# Altium PCB Industrial-IO.PcbDoc (part 2 of 2)
Units mil, origin at the board's own origin, x right, y up, seen from the top; angles counter-clockwise.
Board outline 4527.56 x 2677.17 mil, 2 copper layers (Top Layer, Bottom Layer); 229 components, 299 nets, 967 pads, 166 vias.
Unrouted connection lines stored in the file: 79.
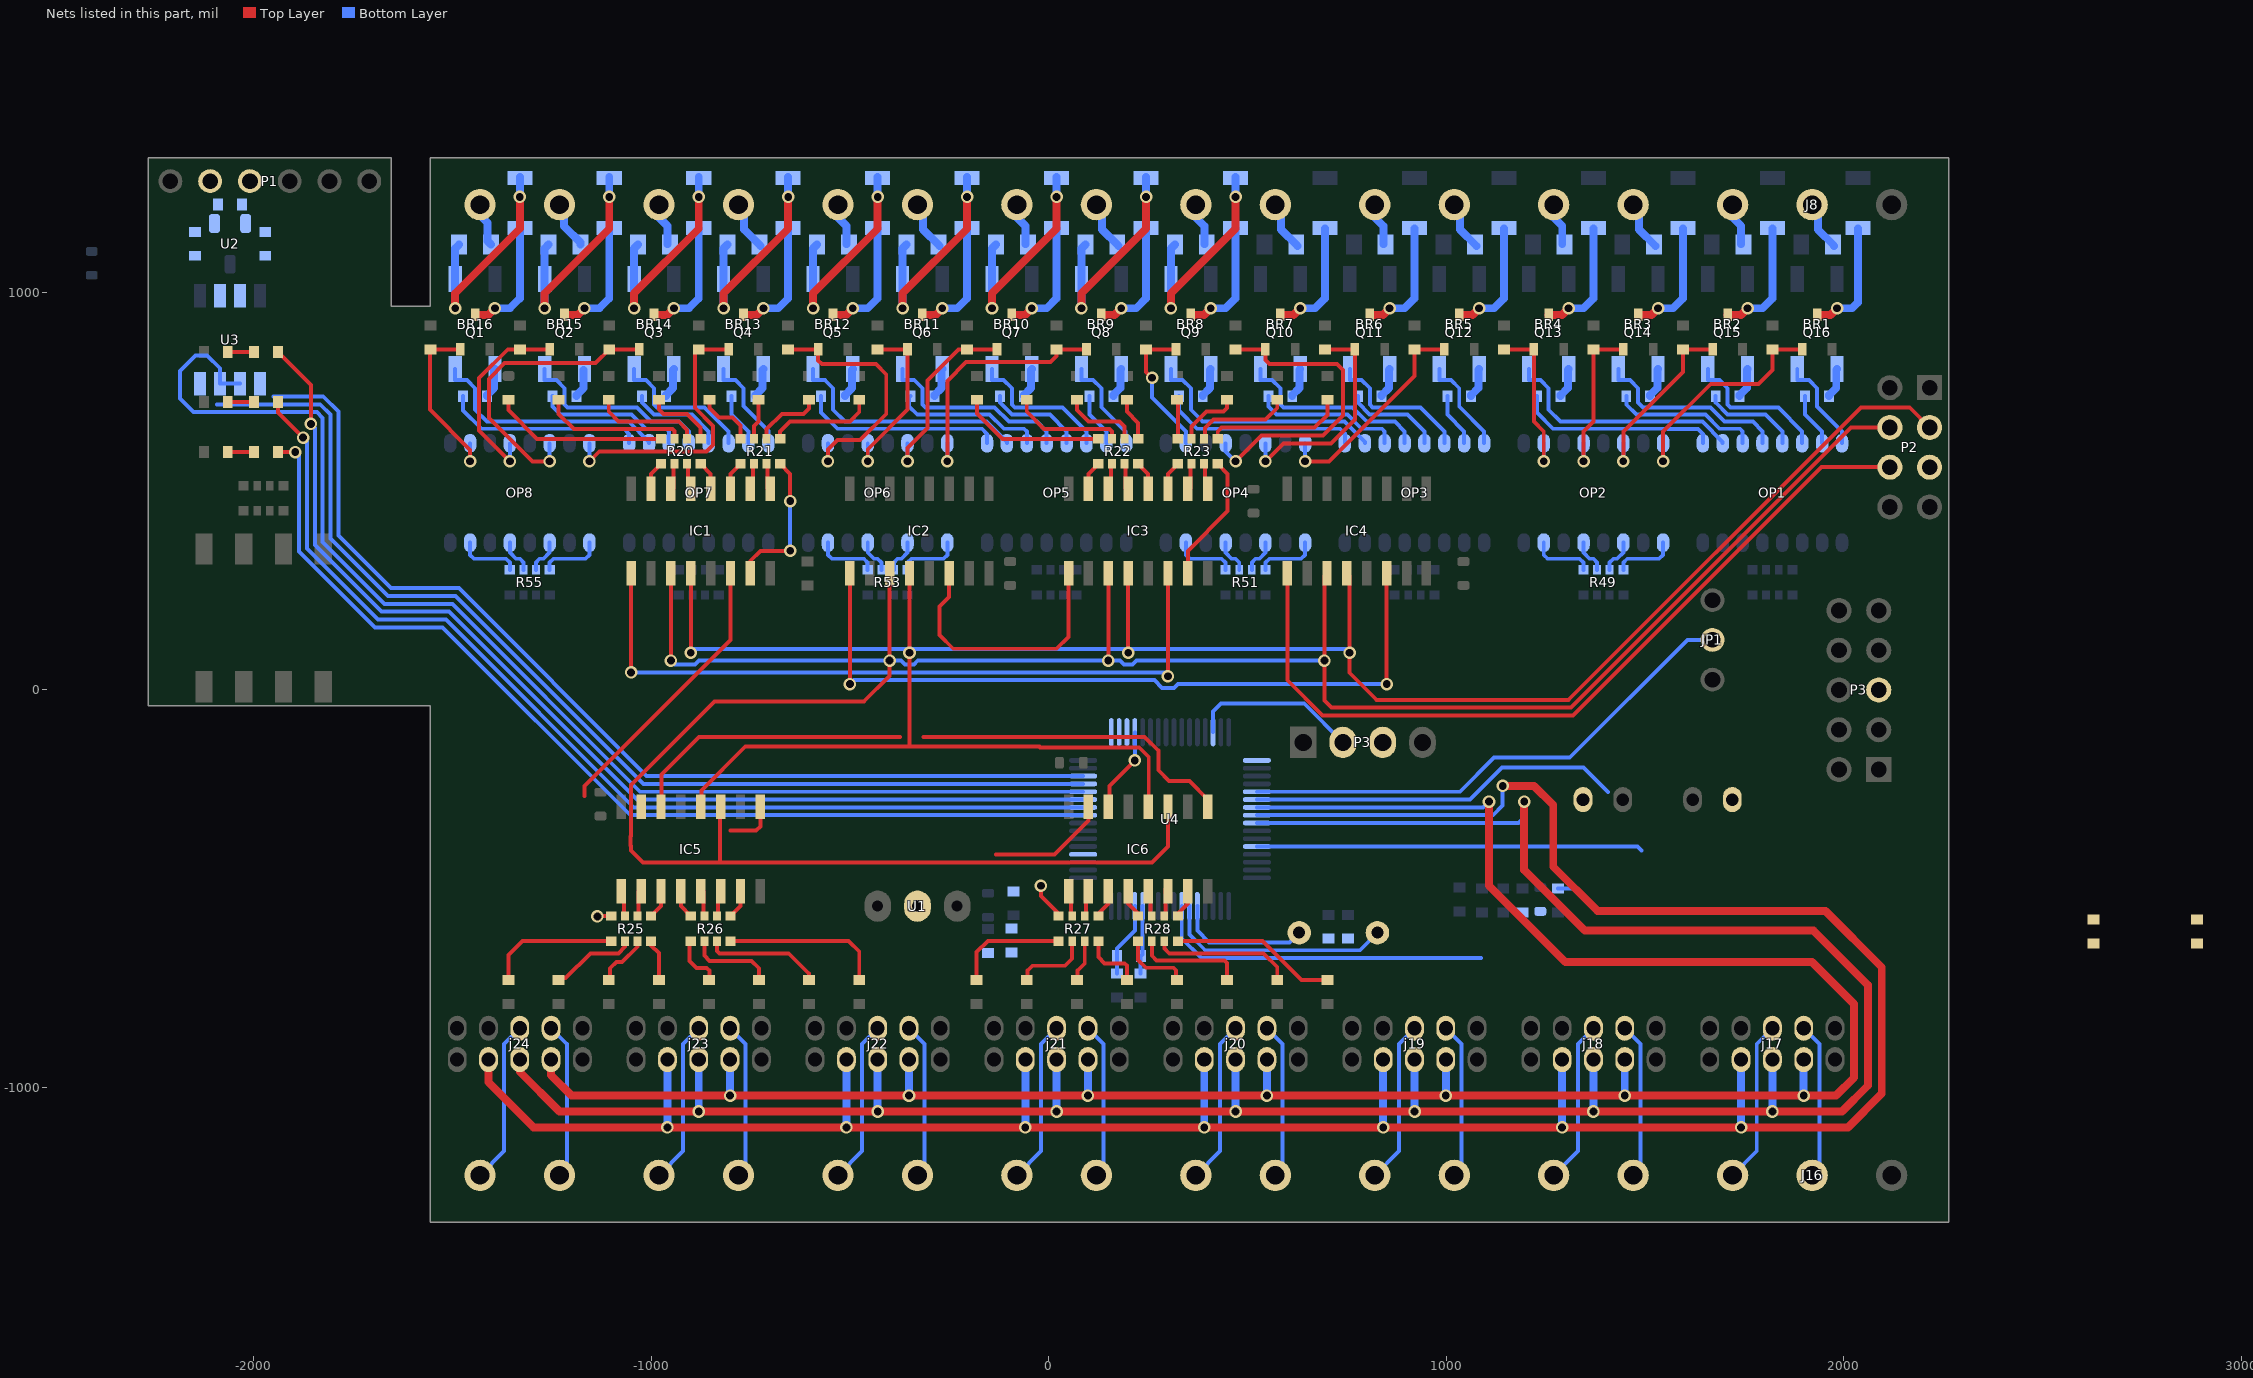
[diagram p2: the nets of this part, all layers, seen from the top]

## Via types
v1: diameter 31.5, hole 19.68, Top Layer to Bottom Layer, 165 vias
v2: diameter 50, hole 28, Top Layer to Bottom Layer, 1 vias

## Nets (pads, with @x,y where several pads share a name; then routed paths per layer and width w, separated by ;. In a path a pad name is that pad's centre, name@x,y a point inside that pad or via, vN(x,y) a via of type N, cw(c..) or ccw(c..) an arc to the next point about the centre after c; other vN are vias at no path point) (continued)
IO8: BR8.3 D43.1 F8.1 | length 561.4
  Top Layer w20: v1(307.5,960) 307.5,997.54 470,1160.04 v1(470,1240)
  Bottom Layer w20: v1(307.5,960) BR8.3@307.5,1033.19 307.5,1110 F8.1@317.5,1120 ; v1(470,1240) D43.1@470,1289.96
IO9: BR9.3 D44.1 F9.1 | length 561.4
  Top Layer w20: v1(82.5,960) 82.5,997.54 245,1160.04 v1(245,1240)
  Bottom Layer w20: v1(82.5,960) BR9.3@82.5,1033.19 82.5,1110 F9.1@92.5,1120 ; v1(245,1240) D44.1@245,1289.96
IO10: BR10.3 D45.1 F10.1 | length 561.4
  Top Layer w20: v1(-142.5,960) -142.5,997.54 20,1160.04 v1(20,1240)
  Bottom Layer w20: v1(-142.5,960) BR10.3@-142.5,1033.19 -142.5,1110 F10.1@-132.5,1120 ; v1(20,1240) D45.1@20,1289.96
IO11: BR11.3 D46.1 F11.1 | length 561.4
  Top Layer w20: v1(-367.5,960) -367.5,997.54 -205,1160.04 v1(-205,1240)
  Bottom Layer w20: v1(-367.5,960) BR11.3@-367.5,1033.19 -367.5,1110 F11.1@-357.5,1120 ; v1(-205,1240) D46.1@-205,1289.96
IO12: BR12.3 D47.1 F12.1 | length 561.4
  Top Layer w20: v1(-592.5,960) -592.5,997.54 -430,1160.04 v1(-430,1240)
  Bottom Layer w20: v1(-592.5,960) BR12.3@-592.5,1033.19 -592.5,1110 F12.1@-582.5,1120 ; v1(-430,1240) D47.1@-430,1289.96
IO13: BR13.3 D48.1 F13.1 | length 561.4
  Top Layer w20: v1(-817.5,960) -817.5,997.54 -655,1160.04 v1(-655,1240)
  Bottom Layer w20: v1(-817.5,960) BR13.3@-817.5,1033.19 -817.5,1110 F13.1@-807.5,1120 ; v1(-655,1240) D48.1@-655,1289.96
IO14: BR14.3 D49.1 F14.1 | length 561.4
  Top Layer w20: v1(-1042.5,960) -1042.5,997.54 -880,1160.04 v1(-880,1240)
  Bottom Layer w20: v1(-1042.5,960) BR14.3@-1042.5,1033.19 -1042.5,1110 F14.1@-1032.5,1120 ; v1(-880,1240) D49.1@-880,1289.96
IO15: BR15.3 D50.1 F15.1 | length 561.4
  Top Layer w20: v1(-1267.5,960) -1267.5,997.54 -1105,1160.04 v1(-1105,1240)
  Bottom Layer w20: v1(-1267.5,960) BR15.3@-1267.5,1033.19 -1267.5,1110 F15.1@-1257.5,1120 ; v1(-1105,1240) D50.1@-1105,1289.96
IO16: BR16.3 D51.1 F16.1 | length 561.4
  Top Layer w20: v1(-1492.5,960) -1492.5,997.54 -1330,1160.04 v1(-1330,1240)
  Bottom Layer w20: v1(-1492.5,960) BR16.3@-1492.5,1033.19 -1492.5,1110 F16.1@-1482.5,1120 ; v1(-1330,1240) D51.1@-1330,1289.96
LED: R100.2 R101.1 U4.54 | length 941.8
  Bottom Layer w10: U4.54@523.62,-275.59 1059.53,-275.59 1140.35,-194.76 1345.35,-194.76 1406.61,-256.02
NetBR1_1: BR1.1 R32.1 | length 76.3
  Bottom Layer w20: R32.1@1962.5,738.75 1962.5,741.25 1980.55,759.3 1980.55,804.86 BR1.1@1982.5,806.81
NetBR1_2: BR1.2 OP1.8 | length 250.2
  Bottom Layer w10: BR1.2@1882.5,806.81 1882.5,779.33 1911.92,779.33 1932.5,758.75 1932.5,712.97 1995,650.47 OP1.8@1995,620.47
NetBR2_1: BR2.1 R33.1 | length 76.3
  Bottom Layer w20: R33.1@1737.5,738.75 1737.5,741.25 1755.55,759.3 1755.55,804.86 BR2.1@1757.5,806.81
NetBR2_2: BR2.2 OP1.6 | length 372.3
  Bottom Layer w10: BR2.2@1657.5,806.81 1657.5,779.33 1686.92,779.33 1707.5,758.75 1707.5,717.81 1714.72,710.59 1834.88,710.59 1895,650.47 OP1.6@1895,620.47
NetBR3_1: BR3.1 R34.1 | length 76.3
  Bottom Layer w20: R34.1@1512.5,738.75 1512.5,741.25 1530.55,759.3 1530.55,804.86 BR3.1@1532.5,806.81
NetBR3_2: BR3.2 OP1.4 | length 494.3
  Bottom Layer w10: BR3.2@1432.5,806.81 1432.5,779.33 1461.92,779.33 1482.5,758.75 1482.5,723.04 1494.95,710.59 1664.17,710.59 1699.92,674.84 1770.63,674.84 1795,650.47 OP1.4@1795,620.47
NetBR4_1: BR4.1 R35.1 | length 76.3
  Bottom Layer w20: R35.1@1287.5,738.75 1287.5,741.25 1305.55,759.3 1305.55,804.86 BR4.1@1307.5,806.81
NetBR4_2: BR4.2 OP1.2 | length 614.4
  Bottom Layer w10: BR4.2@1207.5,806.81 1207.5,779.33 1236.92,779.33 1257.5,758.75 1257.5,704.76 1287.42,674.84 1643.94,674.84 1695,623.79 OP1.2@1695,620.47
NetBR5_1: BR5.1 R36.1 | length 76.3
  Bottom Layer w20: R36.1@1062.5,738.75 1062.5,741.25 1080.55,759.3 1080.55,804.86 BR5.1@1082.5,806.81
NetBR5_2: BR5.2 OP3.8 | length 250.2
  Bottom Layer w10: BR5.2@982.5,806.81 982.5,779.33 1011.92,779.33 1032.5,758.75 1032.5,712.97 1095,650.47 OP3.8@1095,620.47
NetBR6_1: BR6.1 R37.1 | length 76.3
  Bottom Layer w20: R37.1@837.5,738.75 837.5,741.25 855.55,759.3 855.55,804.86 BR6.1@857.5,806.81
NetBR6_2: BR6.2 OP3.6 | length 372.3
  Bottom Layer w10: BR6.2@757.5,806.81 757.5,779.33 786.92,779.33 807.5,758.75 807.5,717.81 814.72,710.59 934.88,710.59 995,650.47 OP3.6@995,620.47
NetBR7_1: BR7.1 R38.1 | length 76.3
  Bottom Layer w20: R38.1@612.5,738.75 612.5,741.25 630.55,759.3 630.55,804.86 BR7.1@632.5,806.81
NetBR7_2: BR7.2 OP3.4 | length 496.9
  Bottom Layer w10: BR7.2@532.5,806.81 532.5,779.33 561.92,779.33 582.5,758.75 582.5,718.48 590.39,710.59 764.17,710.59 799.92,674.84 870.63,674.84 895,650.47 OP3.4@895,620.47
NetBR8_1: BR8.1 R39.1 | length 76.3
  Bottom Layer w20: R39.1@387.5,738.75 387.5,741.25 405.55,759.3 405.55,804.86 BR8.1@407.5,806.81
NetBR8_2: BR8.2 OP3.2 | length 614.4
  Bottom Layer w10: BR8.2@307.5,806.81 307.5,779.33 336.92,779.33 357.5,758.75 357.5,704.76 387.42,674.84 743.94,674.84 795,623.79 OP3.2@795,620.47
NetBR9_1: BR9.1 R40.1 | length 76.3
  Bottom Layer w20: R40.1@162.5,739.22 162.5,741.72 180.55,759.77 180.55,805.33 BR9.1@182.5,807.28
NetBR9_2: BR9.2 OP5.8 | length 250.2
  Bottom Layer w10: BR9.2@82.5,806.81 82.5,779.33 111.92,779.33 132.5,758.75 132.5,711.01 193.05,650.46 193.05,622.42 OP5.8@195,620.47
NetBR10_1: BR10.1 R41.1 | length 76.3
  Bottom Layer w20: R41.1@-62.5,738.75 -62.5,741.25 -44.45,759.3 -44.45,804.86 BR10.1@-42.5,806.81
NetBR10_2: BR10.2 OP5.6 | length 372.3
  Bottom Layer w10: BR10.2@-142.5,806.81 -142.5,779.33 -113.08,779.33 -92.5,758.75 -92.5,717.81 -85.28,710.59 34.88,710.59 95,650.47 OP5.6@95,620.47
NetBR11_1: BR11.1 R42.1 | length 76.3
  Bottom Layer w20: R42.1@-287.5,738.75 -287.5,741.25 -269.45,759.3 -269.45,804.86 BR11.1@-267.5,806.81
NetBR11_2: BR11.2 OP5.4 | length 496.7
  Bottom Layer w10: BR11.2@-367.5,806.81 -367.5,779.33 -338.08,779.33 -317.5,758.75 -317.5,718.48 -309.61,710.59 -135.83,710.59 -100.08,674.84 -29.84,674.84 -5,650 OP5.4@-5,620.47
NetBR12_1: BR12.1 R43.1 | length 76.3
  Bottom Layer w20: R43.1@-512.5,738.75 -512.5,741.25 -494.45,759.3 -494.45,804.86 BR12.1@-492.5,806.81
NetBR12_2: BR12.2 OP5.2 | length 614.4
  Bottom Layer w10: BR12.2@-592.5,806.81 -592.5,779.33 -563.08,779.33 -542.5,758.75 -542.5,704.76 -512.58,674.84 -156.06,674.84 -105,623.79 OP5.2@-105,620.47
NetBR13_1: BR13.1 R44.1 | length 76.3
  Bottom Layer w20: R44.1@-737.5,738.75 -737.5,741.25 -719.45,759.3 -719.45,804.86 BR13.1@-717.5,806.81
NetBR13_2: BR13.2 OP7.8 | length 250.2
  Bottom Layer w10: BR13.2@-817.5,806.81 -817.5,779.33 -788.08,779.33 -767.5,758.75 -767.5,714 -705,651.5 OP7.8@-705,620.47
NetBR14_1: BR14.1 R45.1 | length 76.3
  Bottom Layer w20: R45.1@-962.5,738.75 -962.5,741.25 -944.45,759.3 -944.45,804.86 BR14.1@-942.5,806.81
NetBR14_2: BR14.2 OP7.6 | length 372.3
  Bottom Layer w10: BR14.2@-1042.5,806.81 -1042.5,779.33 -1013.08,779.33 -992.5,758.75 -992.5,717.81 -985.28,710.59 -865.12,710.59 -805,650.47 OP7.6@-805,620.47
NetBR15_1: BR15.1 R46.1 | length 73.6
  Bottom Layer w20: R46.1@-1187.5,738.75 -1187.5,741.25 -1169.45,759.3 BR15.1@-1169.45,804.86
NetBR15_2: BR15.2 OP7.4 | length 496.9
  Bottom Layer w10: BR15.2@-1267.5,806.81 -1267.5,779.33 -1238.08,779.33 -1217.5,758.75 -1217.5,718.48 -1209.61,710.59 -1035.83,710.59 -1000.08,674.84 -929.37,674.84 -905,650.47 OP7.4@-905,620.47
NetBR16_1: BR16.1 R47.1 | length 76.3
  Bottom Layer w20: R47.1@-1412.5,738.75 -1412.5,741.25 -1394.45,759.3 -1394.45,804.86 BR16.1@-1392.5,806.81
NetBR16_2: BR16.2 OP7.2 | length 614.4
  Bottom Layer w10: BR16.2@-1492.5,806.81 -1492.5,779.33 -1463.08,779.33 -1442.5,758.75 -1442.5,704.76 -1412.58,674.84 -1056.06,674.84 -1005,623.79 OP7.2@-1005,620.47
NetC8_1: C8.1 R57.2 U4.7 | length 855
  Bottom Layer w10: U4.7@334.65,-543.31 334.65,-625 383.86,-674.21 1087.6,-674.21
NetC12_1: C12.1 R58.2
NetC14_1: C14.1 U4.6 X1.2 | length 578.9
  Bottom Layer w10: U4.6@354.33,-543.31 354.33,-615.16 393.7,-654.53 782.48,-654.53 X1.2@826.77,-610.24
NetC15_1: C15.1 U4.5 X1.1 | length 340.3
  Bottom Layer w10: U4.5@374.02,-543.31 374.02,-605.32 403.54,-634.84 605.31,-634.84 X1.1@629.92,-610.24
NetC16_1: C16.1 FR2.2 U4.13 | length 188.5
  Bottom Layer w10: FR2.2@172.24,-713.11 172.24,-669.76 C16.1@171.77,-669.29 171.77,-650.08 216.54,-605.31 U4.13@216.54,-543.31
NetC16_2: C16.2 FR1.1 U4.12 | length 171.8
  Bottom Layer w10: FR1.1@231.3,-713.11 231.3,-669.76 C16.2@231.77,-669.29 236.22,-664.84 U4.12@236.22,-543.31
NetD1_1: D1.1 R17.1 | length 66
  Top Layer w10: D1.1@-2064.49,850.39 R17.1@-1998.5,850.39
NetD2_1: D2.1 R20.4 | length 439.4
  Top Layer w10: D2.1@-1358.27,729.84 -1358.27,703.54 -1286.22,631.5 -975.91,631.5 R20.4@-975.7,631.71
  Top Layer w20: R20.4@-975.7,631.71 -975.49,631.5 R20.4@-975.2,631.5
NetD3_1: D3.1 R20.3 | length 364.2
  Top Layer w10: D3.1@-1232.28,729.84 -1232.28,694.54 -1194.24,656.5 -946.5,656.5 -940.75,650.75 R20.3@-940.75,631.5
NetD4_1: D4.1 R20.2 | length 268.5
  Top Layer w10: D4.1@-1106.3,729.84 -1106.3,700.1 -1081.45,675.25 -930.25,675.25 -909.25,654.25 R20.2@-909.25,631.5
NetD5_1: D5.1 R20.1 | length 177.2
  Top Layer w10: D5.1@-980.31,729.84 -980.31,705.36 -968.95,694 -909,694 -875.2,660.2 -875.2,631.89 R20.1@-874.8,631.5
NetD6_1: D6.1 R21.4 | length 150.5
  Top Layer w10: D6.1@-853.35,729.84 -853.35,709.65 -828.7,685 -795,685 -775.2,665.2 R21.4@-775.2,631.5
NetD7_1: D7.1 R21.3 | length 103.1
  Top Layer w10: R21.3@-740.75,631.5 -740.75,664.25 -729.33,675.67 D7.1@-729.33,729.84
NetD8_1: D8.1 R21.2 | length 174.8
  Top Layer w10: R21.2@-709.25,631.5 -709.25,655.75 -671,694 -616,694 -602.36,707.64 D8.1@-602.36,729.84
NetD9_1: D9.1 R21.1 | length 269
  Top Layer w10: R21.1@-674.8,631.5 -674.8,637.35 -675.2,637.75 -675.2,650.25 -650.2,675.25 -499.75,675.25 -476.38,698.62 D9.1@-476.38,729.84
NetD10_1: D10.1 R22.4 | length 366.2
  Top Layer w10: D10.1@-180.65,729.84 -180.65,695.65 -116.5,631.5 R22.4@124.8,631.5
NetD11_1: D11.1 R22.3 | length 283.5
  Top Layer w10: D11.1@-55.12,729.84 -55.12,700.12 -11.5,656.5 153,656.5 159.25,650.25 R22.3@159.25,631.5
NetD12_1: D12.1 R22.2 | length 193.8
  Top Layer w10: D12.1@70.87,729.84 70.87,704.13 99.75,675.25 178,675.25 190.75,662.5 R22.2@190.75,631.5
NetD13_1: D13.1 R22.1 | length 110.2
  Top Layer w10: D13.1@196.85,729.84 196.75,729.74 196.75,700.25 225.2,671.8 R22.1@225.2,631.5
NetD14_1: D14.1 R23.4 | length 99.2
  Top Layer w10: D14.1@322.83,729.84 324.8,727.87 R23.4@324.8,631.5
NetD15_1: D15.1 R23.3 | length 160.9
  Top Layer w10: R23.3@359.25,631.5 359.25,662.75 396.51,700 440,700 448.82,708.82 D15.1@448.82,729.84
NetD16_1: D16.1 R23.2 | length 250.9
  Top Layer w10: R23.2@390.75,631.5 393.55,634.3 393.55,658.55 415,680 545.26,680 574.8,709.55 D16.1@574.8,729.84
NetD17_1: D17.1 R23.1 | length 349.6
  Top Layer w10: R23.1@425.2,631.5 425.2,650.2 435,660 669.01,660 700.79,691.78 D17.1@700.79,729.84
NetD18_1: D18.1 R18.1 | length 66
  Top Layer w10: D18.1@-2064.49,724.41 R18.1@-1998.5,724.41
NetD19_1: D19.1 R19.1 | length 66
  Top Layer w10: D19.1@-2064.49,598.43 R19.1@-1998.5,598.43
NetD20_1: D20.1 R25.1 | length 336
  Top Layer w10: D20.1@-1358.27,-729.84 -1358.27,-666.31 -1323.45,-631.5 R25.1@-1100.2,-631.5
NetD21_1: D21.1 R25.2 | length 221.6
  Top Layer w10: D21.1@-1232.28,-729.84 -1232.28,-726.72 -1234.25,-724.75 -1214.75,-724.75 -1152.25,-662.25 -1082.21,-662.25 -1065.5,-645.54 -1065.5,-631.74 R25.2@-1065.75,-631.5
NetD22_1: D22.1 R25.3 | length 136.8
  Top Layer w10: D22.1@-1106.3,-729.84 -1103,-726.55 -1103,-699.75 -1087.38,-684.13 -1072.69,-684.13 -1034.25,-645.69 R25.3@-1034.25,-631.5
NetD23_1: D23.1 R25.4 | length 106.4
  Top Layer w10: R25.4@-999.8,-631.5 -999.8,-642.39 -980.31,-661.88 D23.1@-980.31,-729.84
NetD24_1: D24.1 R26.1 | length 135.4
  Top Layer w10: R26.1@-900.2,-631.5 -903,-634.3 -903,-681 -885.13,-698.88 -860.13,-698.88 -853,-706 -853,-728.51 D24.1@-854.33,-729.84
NetD25_1: D25.1 R26.2 | length 217.8
  Top Layer w10: R26.2@-865.75,-631.5 -865.75,-668.26 -853,-681 -746.75,-681 -728,-699.75 -728,-729.5 D25.1@-728.35,-729.84
NetD26_1: D26.1 R26.3 | length 296.5
  Top Layer w10: R26.3@-834.25,-631.5 -834.25,-656 -828,-662.25 -653.67,-662.25 -602.36,-713.56 D26.1@-602.36,-729.84
NetD27_1: D27.1 R26.4 | length 406.2
  Top Layer w10: R26.4@-799.8,-631.5 -502.91,-631.5 -476.38,-658.02 D27.1@-476.38,-729.84
NetD28_1: D28.1 R27.1 | length 288.5
  Top Layer w10: D28.1@-181.1,-729.84 -181.1,-659.1 -153,-631 24.31,-631 R27.1@24.8,-631.5
NetD29_1: D29.1 R27.2 | length 193.3
  Top Layer w10: D29.1@-55.12,-729.84 -53,-727.73 -53,-706 -40.5,-693.5 40.75,-693.5 59.25,-675 R27.2@59.25,-631.5
NetD30_1: D30.1 R27.3 | length 106.6
  Top Layer w10: D30.1@70.87,-729.84 72,-728.71 72,-706 90.75,-687.25 R27.3@90.75,-631.5
NetD31_1: D31.1 R27.4 | length 160
  Top Layer w10: R27.4@125.2,-631.5 125.2,-671.7 140.75,-687.25 191.14,-687.25 197,-693.11 197,-731 196.85,-730.86 D31.1@196.85,-729.84
NetD32_1: D32.1 R28.1 | length 179.2
  Top Layer w10: R28.1@224.8,-631.5 224.8,-678.52 244.8,-698.52 313.55,-698.52 319.8,-704.77 319.8,-726.81 D32.1@322.83,-729.84
NetD33_1: D33.1 R28.2 | length 277
  Top Layer w10: R28.2@259.25,-631.5 259.25,-668.26 271.12,-680.13 442.08,-680.13 448.82,-686.86 D33.1@448.82,-729.84
NetD34_1: D34.1 R28.3 | length 355.1
  Top Layer w10: R28.3@290.75,-631.5 290.75,-649.75 303.25,-662.25 540.75,-662.25 574.8,-696.31 D34.1@574.8,-729.84
NetD35_1: D35.1 R28.4 | length 416.7
  Top Layer w10: R28.4@325.2,-631.5 325.69,-631 537.5,-631 636.34,-729.84 D35.1@700.79,-729.84
NetD36_2: D36.2 Q16.3 | length 300.7
  Top Layer w20: Q16.3@1932.5,943.31 1965.81,943.31 v1(1982.5,960)
  Bottom Layer w20: v1(1982.5,960) 2020,960 2035,975 D36.2@2035,1160.04
NetD37_2: D37.2 Q15.3 | length 304.8
  Top Layer w20: Q15.3@1707.5,943.31 1740.81,943.31 v1(1757.5,960)
  Bottom Layer w20: v1(1757.5,960) 1795,960 1820,985 D37.2@1820,1160.04
NetD38_2: D38.2 Q14.3 | length 304.8
  Top Layer w20: Q14.3@1482.5,943.31 1515.81,943.31 v1(1532.5,960)
  Bottom Layer w20: v1(1532.5,960) 1570,960 1595,985 D38.2@1595,1160.04
NetD39_2: D39.2 Q13.3 | length 304.8
  Top Layer w20: Q13.3@1257.5,943.31 1290.81,943.31 v1(1307.5,960)
  Bottom Layer w20: v1(1307.5,960) 1345,960 1370,985 D39.2@1370,1160.04
NetD40_2: D40.2 Q12.3 | length 304.8
  Top Layer w20: Q12.3@1032.5,943.31 1065.81,943.31 v1(1082.5,960)
  Bottom Layer w20: v1(1082.5,960) 1120,960 1145,985 D40.2@1145,1160.04
NetD41_2: D41.2 Q11.3 | length 304.8
  Top Layer w20: Q11.3@807.5,943.31 840.81,943.31 v1(857.5,960)
  Bottom Layer w20: v1(857.5,960) 895,960 920,985 D41.2@920,1160.04
NetD42_2: D42.2 Q10.3 | length 304.8
  Top Layer w20: Q10.3@582.5,943.31 615.81,943.31 v1(632.5,960)
  Bottom Layer w20: v1(632.5,960) 670,960 695,985 D42.2@695,1160.04
NetD43_2: D43.2 Q9.3 | length 304.8
  Top Layer w20: Q9.3@357.5,943.31 390.81,943.31 v1(407.5,960)
  Bottom Layer w20: v1(407.5,960) 445,960 470,985 D43.2@470,1160.04
NetD44_2: D44.2 Q8.3 | length 304.8
  Top Layer w20: Q8.3@132.5,943.31 165.81,943.31 v1(182.5,960)
  Bottom Layer w20: v1(182.5,960) 220,960 245,985 D44.2@245,1160.04
NetD45_2: D45.2 Q7.3 | length 304.8
  Top Layer w20: Q7.3@-92.5,943.31 -59.19,943.31 v1(-42.5,960)
  Bottom Layer w20: v1(-42.5,960) -5,960 20,985 D45.2@20,1160.04
NetD46_2: D46.2 Q6.3 | length 304.8
  Top Layer w20: Q6.3@-317.5,943.31 -284.19,943.31 v1(-267.5,960)
  Bottom Layer w20: v1(-267.5,960) -230,960 -205,985 D46.2@-205,1160.04
NetD47_2: D47.2 Q5.3 | length 304.8
  Top Layer w20: Q5.3@-542.5,943.31 -509.19,943.31 v1(-492.5,960)
  Bottom Layer w20: v1(-492.5,960) -455,960 -430,985 D47.2@-430,1160.04
NetD48_2: D48.2 Q4.3 | length 304.8
  Top Layer w20: Q4.3@-767.5,943.31 -734.19,943.31 v1(-717.5,960)
  Bottom Layer w20: v1(-717.5,960) -680,960 -655,985 D48.2@-655,1160.04
NetD49_2: D49.2 Q3.3 | length 304.8
  Top Layer w20: Q3.3@-992.5,943.31 -959.19,943.31 v1(-942.5,960)
  Bottom Layer w20: v1(-942.5,960) -905,960 -880,985 D49.2@-880,1160.04
NetD50_2: D50.2 Q2.3 | length 304.8
  Top Layer w20: Q2.3@-1217.5,943.31 -1184.19,943.31 v1(-1167.5,960)
  Bottom Layer w20: v1(-1167.5,960) -1130,960 -1105,985 D50.2@-1105,1160.04
NetD51_2: D51.2 Q1.3 | length 304.8
  Top Layer w20: Q1.3@-1442.5,943.31 -1409.19,943.31 v1(-1392.5,960)
  Bottom Layer w20: v1(-1392.5,960) -1355,960 -1330,985 D51.2@-1330,1160.04
NetF1_2: F1.2 J8.2 | length 126.4
  Bottom Layer w20: J8.2@1920,1220.47 1934.25,1206.22 1934.25,1158.21 F1.2@1975.45,1117.01
NetF2_2: F2.2 J8.1 | length 108.4
  Bottom Layer w20: J8.1@1720,1220.47 1720,1188.51 1741.49,1167.01 F2.2@1741.49,1120.97
NetF3_2: F3.2 J7.2 | length 126.4
  Bottom Layer w20: J7.2@1470,1220.47 1484.25,1206.22 1484.25,1158.21 F3.2@1525.45,1117.01
NetF4_2: F4.2 J7.1 | length 108.4
  Bottom Layer w20: J7.1@1270,1220.47 1270,1188.5 1291.49,1167.01 F4.2@1291.49,1120.97
NetF5_2: F5.2 J6.2 | length 126.4
  Bottom Layer w20: J6.2@1020,1220.47 1034.25,1206.22 1034.25,1158.21 F5.2@1075.45,1117.01
NetF6_2: F6.2 J6.1 | length 108.4
  Bottom Layer w20: J6.1@820,1220.47 820,1188.5 841.49,1167.01 F6.2@841.49,1120.97
NetF7_2: F7.2 J5.2 | length 126.4
  Bottom Layer w20: J5.2@570,1220.47 584.25,1206.22 584.25,1158.21 F7.2@625.45,1117.01
NetF8_2: F8.2 J5.1 | length 108.4
  Bottom Layer w20: J5.1@370,1220.47 370,1188.5 391.49,1167.01 F8.2@391.49,1120.97
NetF9_2: F9.2 J4.2 | length 126.4
  Bottom Layer w20: J4.2@120,1220.47 134.25,1206.22 134.25,1158.21 F9.2@175.45,1117.01
NetF10_2: F10.2 J4.1 | length 108.4
  Bottom Layer w20: J4.1@-80,1220.47 -80,1188.5 -58.51,1167.01 F10.2@-58.51,1120.97
NetF11_2: F11.2 J3.2 | length 126.4
  Bottom Layer w20: J3.2@-330,1220.47 -315.75,1206.22 -315.75,1158.21 F11.2@-274.55,1117.01
NetF12_2: F12.2 J3.1 | length 108.4
  Bottom Layer w20: J3.1@-530,1220.47 -530,1188.5 -508.51,1167.01 F12.2@-508.51,1120.97
NetF13_2: F13.2 J2.2 | length 126.4
  Bottom Layer w20: J2.2@-780,1220.47 -765.75,1206.22 -765.75,1158.21 F13.2@-724.55,1117.01
NetF14_2: F14.2 J2.1 | length 108.4
  Bottom Layer w20: J2.1@-980,1220.47 -980,1188.5 -958.51,1167.01 F14.2@-958.51,1120.97
NetF15_2: F15.2 J1.2 | length 131.4
  Bottom Layer w20: J1.2@-1232.95,1228.46 -1218.7,1214.21 -1218.7,1166.2 -1177.5,1125 F15.2@-1177.5,1120
NetF16_2: F16.2 J1.1 | length 121.1
  Bottom Layer w20: J1.1@-1432.95,1228.46 -1432.95,1196.49 -1411.46,1175 -1411.46,1128.96 F16.2@-1402.5,1120
NetIC1_1: IC1.1 R21.7 | length 57.4
  Top Layer w10: IC1.1@-706.5,506.3 R21.7@-706.5,563.66
NetIC1_2: IC1.2 R21.6 | length 57.4
  Top Layer w10: IC1.2@-743.5,506.3 R21.6@-743.5,563.66
NetIC1_3: IC1.3 R21.5 | length 72.5
  Top Layer w10: IC1.3@-800,506.3 -800,543.7 R21.5@-775.2,568.5
NetIC1_4: IC1.4 R20.8 | length 72.5
  Top Layer w10: R20.8@-874.8,568.5 -850,543.7 IC1.4@-850,506.3
NetIC1_5: IC1.5 R20.7 | length 57.4
  Top Layer w10: IC1.5@-906.5,506.3 R20.7@-906.5,563.66
NetIC1_6: IC1.6 R20.6 | length 57.4
  Top Layer w10: IC1.6@-943.5,506.3 R20.6@-943.5,563.66
NetIC1_7: IC1.7 R20.5 | length 72.5
  Top Layer w10: IC1.7@-1000,506.3 -1000,543.7 R20.5@-975.2,568.5
NetIC1_15: IC1.15 R21.8 | length 370.4
  Top Layer w10: IC1.15@-750,293.7 -750,325 -725,350 v1(-650,350) ; R21.8@-674.8,568.5 -650,543.7 v1(-650,475)
  Bottom Layer w10: v1(-650,350) v1(-650,475)
NetIC3_1: IC3.1 R23.7 | length 57.4
  Top Layer w10: IC3.1@393.5,506.3 R23.7@393.5,563.66
NetIC3_2: IC3.2 R23.6 | length 57.4
  Top Layer w10: IC3.2@356.5,506.3 R23.6@356.5,563.66
NetIC3_3: IC3.3 R23.5 | length 72.5
  Top Layer w10: IC3.3@300,506.3 300,543.7 R23.5@324.8,568.5
NetIC3_4: IC3.4 R22.8 | length 72.5
  Top Layer w10: R22.8@225.2,568.5 250,543.7 IC3.4@250,506.3
NetIC3_5: IC3.5 R22.7 | length 57.4
  Top Layer w10: IC3.5@193.5,506.3 R22.7@193.5,563.66
NetIC3_6: IC3.6 R22.6 | length 57.4
  Top Layer w10: IC3.6@156.5,506.3 R22.6@156.5,563.66
NetIC3_7: IC3.7 R22.5 | length 72.5
  Top Layer w10: IC3.7@100,506.3 100,543.7 R22.5@124.8,568.5
NetIC3_15: IC3.15 R23.8 | length 326.5
  Top Layer w10: IC3.15@350,293.7 350,350 450,450 450,543.7 R23.8@425.2,568.5
NetIC5_1: IC5.1 R25.7 | length 57.4
  Top Layer w10: R25.7@-1068.5,-563.66 IC5.1@-1068.5,-506.3
NetIC5_2: IC5.2 R25.6 | length 57.4
  Top Layer w10: R25.6@-1031.5,-563.66 IC5.2@-1031.5,-506.3
NetIC5_3: IC5.3 R25.5 | length 72.5
  Top Layer w10: R25.5@-999.8,-568.5 -975,-543.7 IC5.3@-975,-506.3
NetIC5_4: IC5.4 R26.8 | length 72.5
  Top Layer w10: IC5.4@-925,-506.3 -925,-543.7 R26.8@-900.2,-568.5
NetIC5_5: IC5.5 R26.7 | length 57.4
  Top Layer w10: R26.7@-868.5,-563.66 IC5.5@-868.5,-506.3
NetIC5_6: IC5.6 R26.6 | length 57.4
  Top Layer w10: R26.6@-831.5,-563.66 IC5.6@-831.5,-506.3
NetIC5_7: IC5.7 R26.5 | length 72.5
  Top Layer w10: R26.5@-799.8,-568.5 -775,-543.7 IC5.7@-775,-506.3
NetIC5_15: IC5.15 R25.8 | length 35.2
  Top Layer w10: v1(-1135,-569.53) -1133.98,-568.5 R25.8@-1100.2,-568.5
NetIC6_1: IC6.1 R27.7 | length 57.4
  Top Layer w10: R27.7@56.5,-557.41 IC6.1@56.5,-500.05
NetIC6_2: IC6.2 R27.6 | length 57.4
  Top Layer w10: R27.6@93.5,-557.41 IC6.2@93.5,-500.05
NetIC6_3: IC6.3 R27.5 | length 72.5
  Top Layer w10: R27.5@125.2,-562.25 150,-537.45 IC6.3@150,-500.05
NetIC6_4: IC6.4 R28.8 | length 72.5
  Top Layer w10: IC6.4@200,-500.05 200,-537.45 R28.8@224.8,-562.25
NetIC6_5: IC6.5 R28.7 | length 57.4
  Top Layer w10: R28.7@256.5,-557.41 IC6.5@256.5,-500.05
NetIC6_6: IC6.6 R28.6 | length 57.4
  Top Layer w10: R28.6@293.5,-557.41 IC6.6@293.5,-500.05
NetIC6_7: IC6.7 R28.5 | length 72.5
  Top Layer w10: R28.5@325.2,-562.25 350,-537.45 IC6.7@350,-500.05
NetIC6_15: IC6.15 R27.8 | length 391.2
  Top Layer w10: -132.87,-413.39 14.76,-413.39 24.61,-403.54 100,-328.15 IC6.15@100,-293.7 ; v1(-19.68,-492.13) -19.68,-517.77 R27.8@24.8,-562.25
NetJ9_1: J9.1 j24.3 | length 393.7
  Bottom Layer w10: j24.3@-1251.26,-850.63 -1211.89,-890 -1211.89,-1202.36 J9.1@-1230,-1220.47
NetJ9_2: J9.2 j24.5 | length 411.3
  Bottom Layer w10: J9.2@-1430,-1220.47 -1369.37,-1159.84 -1369.37,-890 j24.5@-1330,-850.63
NetJ10_1: J10.1 j23.3 | length 393.7
  Bottom Layer w10: j23.3@-801.26,-850.63 -761.89,-890 -761.89,-1202.36 J10.1@-780,-1220.47
NetJ10_2: J10.2 j23.5 | length 411.3
  Bottom Layer w10: J10.2@-980,-1220.47 -919.37,-1159.84 -919.37,-890 j23.5@-880,-850.63
NetJ11_1: J11.1 j22.3 | length 393.7
  Bottom Layer w10: j22.3@-351.26,-850.63 -311.89,-890 -311.89,-1202.36 J11.1@-330,-1220.47
NetJ11_2: J11.2 j22.5 | length 411.3
  Bottom Layer w10: J11.2@-530,-1220.47 -469.37,-1159.84 -469.37,-890 j22.5@-430,-850.63
NetJ12_1: J12.1 j21.3 | length 393.7
  Bottom Layer w10: j21.3@98.74,-850.63 138.11,-890 138.11,-1202.36 J12.1@120,-1220.47
NetJ12_2: J12.2 j21.5 | length 411.3
  Bottom Layer w10: J12.2@-80,-1220.47 -19.37,-1159.84 -19.37,-890 j21.5@20,-850.63
NetJ13_1: J13.1 j20.3 | length 393.7
  Bottom Layer w10: j20.3@548.74,-850.63 588.11,-890 588.11,-1202.36 J13.1@570,-1220.47
NetJ13_2: J13.2 j20.5 | length 411.3
  Bottom Layer w10: J13.2@370,-1220.47 430.63,-1159.84 430.63,-890 j20.5@470,-850.63
NetJ14_1: J14.1 j19.3 | length 393.7
  Bottom Layer w10: j19.3@998.74,-850.63 1038.11,-890 1038.11,-1202.36 J14.1@1020,-1220.47
NetJ14_2: J14.2 j19.5 | length 411.3
  Bottom Layer w10: J14.2@820,-1220.47 880.63,-1159.84 880.63,-890 j19.5@920,-850.63
NetJ15_1: J15.1 j18.3 | length 393.7
  Bottom Layer w10: j18.3@1448.74,-850.63 1488.11,-890 1488.11,-1202.36 J15.1@1470,-1220.47
NetJ15_2: J15.2 j18.5 | length 411.3
  Bottom Layer w10: J15.2@1270,-1220.47 1330.63,-1159.84 1330.63,-890 j18.5@1370,-850.63
NetJ16_2: J16.2 j17.3 | length 393.7
  Bottom Layer w10: j17.3@1898.74,-850.63 1938.11,-890 1938.11,-1202.36 J16.2@1920,-1220.47
NetJ16_3: J16.3 j17.5 | length 411.3
  Bottom Layer w10: J16.3@1720,-1220.47 1780.63,-1159.84 1780.63,-890 j17.5@1820,-850.63
NetLED1_1: LED1.1 R101.2
NetLED2_2: LED2.2 R100.1
NetOP1_1: OP1.1 R35.2 | length 504.2
  Bottom Layer w10: R35.2@1227.5,738.75 1227.5,697.97 1268.5,656.97 1556.86,656.97 1557.12,656.71 1632.39,656.71 1645,644.09 OP1.1@1645,620.47
NetOP1_3: OP1.3 R34.2 | length 371.2
  Bottom Layer w10: R34.2@1452.5,738.75 1452.5,717.97 1477.76,692.72 1651.35,692.72 1687.09,656.97 1738.5,656.97 1745,650.47 OP1.3@1745,620.47
NetOP1_5: OP1.5 R33.2 | length 243.6
  Bottom Layer w10: R33.2@1677.5,738.75 1677.5,722.54 1707.32,692.72 1802.76,692.72 1845,650.47 OP1.5@1845,620.47
NetOP1_7: OP1.7 R32.2 | length 135.9
  Bottom Layer w10: R32.2@1902.5,738.75 1902.5,692.97 1945,650.47 OP1.7@1945,620.47
NetOP2_1: OP2.1 R49.8 | length 156.7
  Bottom Layer w10: R49.8@1445.2,301.97 1445.2,320.2 1455,330 1535,330 1545,340 OP2.1@1545,370.47
NetOP2_3: OP2.3 R49.7 | length 88.4
  Bottom Layer w10: R49.7@1410.75,301.97 1410.75,320.75 1420,330 1429.72,330 1445,345.28 OP2.3@1445,370.47
NetOP2_5: OP2.5 R49.6 | length 88.4
  Bottom Layer w10: OP2.5@1345,370.47 1345,345.28 1360.28,330 1370,330 1379.25,320.75 R49.6@1379.25,301.97
NetOP2_7: OP2.7 R49.5 | length 156.7
  Bottom Layer w10: OP2.7@1245,370.47 1245,340 1255,330 1335,330 1344.8,320.2 R49.5@1344.8,301.97
NetOP2_10: OP2.10 Q13.1 R13.1 | length 412.6
  Top Layer w10: R13.1@1145,856.69 Q13.1@1220.1,856.69 1220.1,674.9 1245,650 v1(1245,575)
  Bottom Layer w10: v1(1245,575) OP2.10@1245,620.47
NetOP2_12: OP2.12 Q14.1 R14.1 | length 412.6
  Top Layer w10: v1(1345,575) 1345,650 1370,675 R14.1@1370,856.69 Q14.1@1445.1,856.69
  Bottom Layer w10: v1(1345,575) OP2.12@1345,620.47
NetOP2_14: OP2.14 Q15.1 R15.1 | length 464.4
  Top Layer w10: v1(1445,575) 1445,650 1595,800 R15.1@1595,856.69 Q15.1@1670.1,856.69
  Bottom Layer w10: v1(1445,575) OP2.14@1445,620.47
NetOP2_16: OP2.16 Q16.1 R16.1 | length 586.5
  Top Layer w10: v1(1545,575) 1545,650 1665,770 1785,770 1820,805 R16.1@1820,856.69 Q16.1@1895.1,856.69
  Bottom Layer w10: v1(1545,575) OP2.16@1545,620.47
NetOP3_1: OP3.1 R39.2 | length 501.9
  Bottom Layer w10: R39.2@327.5,738.75 327.5,702.97 373.5,656.97 733.13,656.97 745,645.1 OP3.1@745,620.47
NetOP3_3: OP3.3 R38.2 | length 374.2
  Bottom Layer w10: R38.2@552.5,738.75 552.5,712.97 572.76,692.72 751.35,692.72 787.09,656.97 838.5,656.97 845,650.47 OP3.3@845,620.47
NetOP3_5: OP3.5 R37.2 | length 243.6
  Bottom Layer w10: R37.2@777.5,738.75 777.5,722.54 807.32,692.72 902.76,692.72 945,650.47 OP3.5@945,620.47
NetOP3_7: OP3.7 R36.2 | length 135.9
  Bottom Layer w10: R36.2@1002.5,738.75 1002.5,692.97 1045,650.47 OP3.7@1045,620.47
NetOP4_1: OP4.1 R51.8 | length 156.7
  Bottom Layer w10: R51.8@545.2,301.97 545.2,320.2 555,330 635,330 645,340 OP4.1@645,370.47
NetOP4_3: OP4.3 R51.7 | length 88.4
  Bottom Layer w10: R51.7@510.75,301.97 510.75,320.75 520,330 529.72,330 545,345.28 OP4.3@545,370.47
NetOP4_5: OP4.5 R51.6 | length 88.4
  Bottom Layer w10: OP4.5@445,370.47 445,345.28 460.28,330 470,330 479.25,320.75 R51.6@479.25,301.97
NetOP4_7: OP4.7 R51.5 | length 156.7
  Bottom Layer w10: OP4.7@345,370.47 345,340 355,330 435,330 444.8,320.2 R51.5@444.8,301.97
NetOP4_10: OP4.10 Q9.1 R9.1 | length 352.7
  Top Layer w10: v1(260,785) 245,800 R9.1@245,856.69 Q9.1@320.1,856.69
  Bottom Layer w10: v1(260,785) 260,735.47 345,650.47 OP4.10@345,620.47
NetOP4_12: OP4.12 Q10.1 R10.1 | length 795.7
  Top Layer w10: v1(470,575) 535,640 690,640 740,690 740,805 725,820 554.76,820 545.1,829.66 Q10.1@545.1,856.69 R10.1@470,856.69
  Bottom Layer w10: OP4.12@445,620.47 445,600 v1(470,575)
NetOP4_14: OP4.14 Q11.1 R11.1 | length 565.8
  Top Layer w10: v1(545,575) 590,620 710,620 770.1,680.1 Q11.1@770.1,856.69 R11.1@695,856.69
  Bottom Layer w10: v1(545,575) OP4.14@545,620.47
NetOP4_16: OP4.16 Q12.1 R12.1 | length 551.4
  Top Layer w10: v1(645,575) 705.13,575 920,789.87 R12.1@920,856.69 Q12.1@995.1,856.69
  Bottom Layer w10: v1(645,575) OP4.16@645,620.47
NetOP5_1: OP5.1 R43.2 | length 504.2
  Bottom Layer w10: R43.2@-572.5,738.75 -572.5,697.97 -531.5,656.97 -167.87,656.97 -155,644.09 OP5.1@-155,620.47
NetOP5_3: OP5.3 R42.2 | length 378.7
  Bottom Layer w10: R42.2@-347.5,738.75 -350.7,735.55 -350.7,712.96 -330.46,692.72 -148.65,692.72 -112.91,656.97 -61.5,656.97 -55,650.47 OP5.3@-55,620.47
NetOP5_5: OP5.5 R41.2 | length 243.6
  Bottom Layer w10: R41.2@-122.5,738.75 -122.5,722.54 -92.68,692.72 2.76,692.72 45,650.47 OP5.5@45,620.47
NetOP5_7: OP5.7 R40.2 | length 135.9
  Bottom Layer w10: R40.2@102.5,738.75 102.5,692.97 145,650.47 OP5.7@145,620.47
NetOP6_1: OP6.1 R53.8 | length 156.7
  Bottom Layer w10: R53.8@-354.8,301.97 -354.8,320.2 -345,330 -265,330 -255,340 OP6.1@-255,370.47
NetOP6_3: OP6.3 R53.7 | length 88.4
  Bottom Layer w10: R53.7@-389.25,301.97 -389.25,320.75 -380,330 -370.28,330 -355,345.28 OP6.3@-355,370.47
NetOP6_5: OP6.5 R53.6 | length 88.4
  Bottom Layer w10: OP6.5@-455,370.47 -455,345.28 -439.72,330 -430,330 -420.75,320.75 R53.6@-420.75,301.97
NetOP6_7: OP6.7 R53.5 | length 156.7
  Bottom Layer w10: OP6.7@-555,370.47 -555,340 -545,330 -465,330 -455.2,320.2 R53.5@-455.2,301.97
NetOP6_10: OP6.10 Q5.1 R5.1 | length 647.4
  Top Layer w10: R5.1@-655,856.69 Q5.1@-579.9,856.69 -579.9,828.65 -570.46,819.21 -434.21,819.21 -408.46,793.46 -408.46,693.9 -474.02,628.35 -531.38,628.35 -555,604.72 v1(-555,575)
  Bottom Layer w10: v1(-555,575) OP6.10@-555,620.47
NetOP6_12: OP6.12 Q6.1 R6.1 | length 443.7
  Top Layer w10: v1(-455,575) -455,605 -354.9,705.1 Q6.1@-354.9,856.69 R6.1@-430,856.69
  Bottom Layer w10: v1(-455,575) OP6.12@-455,620.47
NetOP6_14: OP6.14 Q7.1 R7.1 | length 476.9
  Top Layer w10: v1(-355,575) -355,608.66 -305,658.66 -305,778.1 -226.41,856.69 R7.1@-205,856.69 Q7.1@-129.9,856.69
  Bottom Layer w10: v1(-355,575) OP6.14@-355,620.47
NetOP6_16: OP6.16 Q8.1 R8.1 | length 640.6
  Top Layer w10: v1(-255,575) -255,777.41 -207.41,825 5,825 20,840 R8.1@20,856.69 Q8.1@95.1,856.69
  Bottom Layer w10: v1(-255,575) OP6.16@-255,620.47
NetOP7_1: OP7.1 R47.2 | length 501.3
  Bottom Layer w10: R47.2@-1472.5,738.75 -1472.5,702.97 -1426.5,656.97 -1067.87,656.97 -1055,644.09 OP7.1@-1055,620.47
NetOP7_3: OP7.3 R46.2 | length 374.2
  Bottom Layer w10: R46.2@-1247.5,738.75 -1247.5,712.97 -1227.24,692.72 -1048.65,692.72 -1012.91,656.97 -961.5,656.97 -955,650.47 OP7.3@-955,620.47
NetOP7_5: OP7.5 R45.2 | length 243.6
  Bottom Layer w10: R45.2@-1022.5,738.75 -1022.5,722.54 -992.68,692.72 -897.24,692.72 -855,650.47 OP7.5@-855,620.47
NetOP7_7: OP7.7 R44.2 | length 135.9
  Bottom Layer w10: R44.2@-797.5,738.75 -797.5,692.97 -755,650.47 OP7.7@-755,620.47
NetOP8_1: OP8.1 R55.8 | length 156.7
  Bottom Layer w10: R55.8@-1254.8,301.97 -1254.8,320.2 -1245,330 -1165,330 -1155,340 OP8.1@-1155,370.47
NetOP8_3: OP8.3 R55.7 | length 88.4
  Bottom Layer w10: R55.7@-1289.25,301.97 -1289.25,320.75 -1280,330 -1270.28,330 -1255,345.28 OP8.3@-1255,370.47
NetOP8_5: OP8.5 R55.6 | length 88.4
  Bottom Layer w10: OP8.5@-1355,370.47 -1355,345.28 -1339.72,330 -1330,330 -1320.75,320.75 R55.6@-1320.75,301.97
NetOP8_7: OP8.7 R55.5 | length 156.7
  Bottom Layer w10: OP8.7@-1455,370.47 -1455,340 -1445,330 -1365,330 -1355.2,320.2 R55.5@-1355.2,301.97
NetOP8_10: OP8.10 Q1.1 R1.1 | length 436.5
  Top Layer w10: R1.1@-1556.25,848.75 -1556.25,704.87 -1455,603.62 v1(-1455,575) ; R1.1@-1555.09,856.6 Q1.1@-1479.99,856.6 ; Q1.1@-1480.09,856.51 Q1.1@-1479.99,856.6 ; Q1.1@-1479.9,856.69 Q1.1@-1479.99,856.6
  Bottom Layer w10: v1(-1455,575) OP8.10@-1455,620.47
NetOP8_12: OP8.12 Q2.1 R2.1 | length 494.2
  Top Layer w10: v1(-1355,575) -1432.09,652.09 -1432.09,784.92 -1360.32,856.69 R2.1@-1330,856.69 Q2.1@-1254.9,856.69
  Bottom Layer w10: v1(-1355,575) OP8.12@-1355,620.47
NetOP8_14: OP8.14 Q3.1 R3.1 | length 749.9
  Top Layer w10: v1(-1255,575) -1298.43,575 -1407.48,684.06 -1407.48,782.48 -1368.11,821.85 -1139.84,821.85 R3.1@-1105,856.69 Q3.1@-1029.9,856.69
  Bottom Layer w10: v1(-1255,575) OP8.14@-1255,620.47
NetOP8_16: OP8.16 Q4.1 R4.1 | length 712.6
  Top Layer w10: v1(-1155,575) -1130.15,599.85 -860.15,599.85 -843.86,616.14 -843.86,663.86 -890,710 -890,846.69 R4.1@-880,856.69 Q4.1@-804.9,856.69
  Bottom Layer w10: v1(-1155,575) OP8.16@-1155,620.47
NetR17_2: R17.2 U4.27 | length 2721.8
  Top Layer w10: R17.2@-1938.5,850.39 -1855.32,767.2 v1(-1855.32,669.29)
  Bottom Layer w10: v1(-1855.32,669.29) -1845.47,659.45 -1845.47,364.32 -1678,196.85 -1507.74,196.85 -1035.3,-275.59 U4.27@86.61,-275.59
NetR18_2: R18.2 U4.26 | length 2620.2
  Top Layer w10: R18.2@-1938.5,724.41 -1938.5,698.35 v1(-1875,634.84)
  Bottom Layer w10: v1(-1875,634.84) -1865.16,625 -1865.16,356.16 -1686.16,177.17 -1515.89,177.17 -1043.45,-295.28 U4.26@86.61,-295.28
NetR19_2: R19.2 U4.25 | length 2544.4
  Top Layer w10: R19.2@-1938.5,598.43 v1(-1894.69,598.43)
  Bottom Layer w10: v1(-1894.69,598.43) -1884.84,588.58 -1884.84,348.01 -1694.31,157.48 -1524.05,157.48 -1051.61,-314.96 U4.25@86.61,-314.96
NetR56_2: R56.2 U4.60 | length 1017.7
  Bottom Layer w10: U4.60@523.62,-393.7 1481.3,-393.7 1491.14,-403.54 ; R56.2@1281.3,-499.07 1323.6,-499.07 1324.95,-500.42 1326.3,-501.77
NetR58_1: R58.1 R59.1 U1.2 U4.20
NetU3_2: U3.2 U3.3 U4.28 | length 3152.3
  Bottom Layer w10: U3.2@-2033.66,770.67 U3.3@-2083.66,770.67 -2083.66,809.06 -2116.14,841.54 -2145.67,841.54 -2185.04,802.17 -2185.04,733.27 -2150.59,698.82 -1840.55,698.82 -1825.79,684.06 -1825.79,372.47 -1669.85,216.54 -1499.59,216.54 -1027.14,-255.91 U4.28@86.61,-255.91
R_N: R30.1 U3.7
R_P: R31.1 U3.6
RS485_N: P1.4 R29.2 R30.2 U2.2
RS485_P: P1.5 R29.1 R31.2 U2.1
SPI1_MISO: j17.8 j18.8 j19.8 j20.8 j21.8 j22.8 j23.8 j24.8 U4.56 | length 7065.3
  Top Layer w20: j24.8@-1408.74,-929.37 -1408.74,-986.26 -1295,-1100 v1(-958.72,-1100) v1(-508.72,-1100) v1(-58.72,-1100) v1(391.28,-1100) v1(841.28,-1100) v1(1291.28,-1100) v1(1741.28,-1100) 2010,-1100 2095,-1015 2095,-697.36 1953.74,-556.1 1380.63,-556.1 1268.86,-444.33 1268.86,-289.53 1220.47,-241.14 v1(1141.73,-241.14)
  Bottom Layer w10: U4.56@523.62,-314.96 1117.13,-314.96 1141.73,-290.35 v1(1141.73,-241.14)
  Bottom Layer w20: v1(-958.72,-1100) j23.8@-958.74,-929.37 ; v1(-508.72,-1100) j22.8@-508.74,-929.37 ; v1(-58.72,-1100) j21.8@-58.74,-929.37 ; v1(391.28,-1100) j20.8@391.26,-929.37 ; v1(841.28,-1100) j19.8@841.26,-929.37 ; v1(1291.28,-1100) j18.8@1291.26,-929.37 ; v1(1741.28,-1100) j17.8@1741.26,-929.37
SPI1_MOSI: j17.6 j18.6 j19.6 j20.6 j21.6 j22.6 j23.6 j24.6 U4.57 | length 6530.4
  Top Layer w20: j24.6@-1330,-929.37 -1330,-960 -1230,-1060 v1(-880,-1060) v1(-430,-1060) v1(20,-1060) v1(470,-1060) v1(920,-1060) v1(1370,-1060) v1(1820,-1060) 1995,-1060 2060,-995 2060,-741.88 1923.44,-605.32 1348.43,-605.32 1235.24,-492.13 1195.87,-452.76 v1(1195.87,-280.51)
  Bottom Layer w10: U4.57@523.62,-334.65 1181.1,-334.65 1195.87,-319.88 v1(1195.87,-280.51)
  Bottom Layer w20: v1(-880,-1060) j23.6@-880,-929.37 ; v1(-430,-1060) j22.6@-430,-929.37 ; v1(20,-1060) j21.6@20,-929.37 ; v1(470,-1060) j20.6@470,-929.37 ; v1(920,-1060) j19.6@920,-929.37 ; v1(1370,-1060) j18.6@1370,-929.37 ; v1(1820,-1060) j17.6@1820,-929.37
SPI1_SCK: j17.4 j18.4 j19.4 j20.4 j21.4 j22.4 j23.4 j24.4 U4.55 | length 6017.5
  Top Layer w20: j24.4@-1251.26,-929.37 -1251.26,-968.74 -1200,-1020 v1(-801.26,-1020) v1(-351.26,-1020) v1(98.74,-1020) v1(548.74,-1020) v1(998.74,-1020) v1(1448.74,-1020) v1(1898.74,-1020) 1980,-1020 2025,-975 2025,-789.76 1919.29,-684.06 1299.21,-684.06 1107.28,-492.13 v1(1107.28,-280.51)
  Bottom Layer w10: U4.55@523.62,-295.28 1092.52,-295.28 v1(1107.28,-280.51)
  Bottom Layer w20: v1(-801.26,-1020) j23.4@-801.26,-929.37 ; v1(-351.26,-1020) j22.4@-351.26,-929.37 ; v1(98.74,-1020) j21.4@98.74,-929.37 ; v1(548.74,-1020) j20.4@548.74,-929.37 ; v1(998.74,-1020) j19.4@998.74,-929.37 ; v1(1448.74,-1020) j18.4@1448.74,-929.37 ; v1(1898.74,-1020) j17.4@1898.74,-929.37
SPI2_MISO: U4.35
SPI2_MOSI: IC6.14 U4.36 | length 215
  Top Layer w10: IC6.14@150,-293.7 152.5,-291.2 152.5,-241.2 v1(216.54,-177.17)
  Bottom Layer w10: v1(216.54,-177.17) U4.36@216.54,-106.3
SPI2_MOSI2: IC5.14 IC6.9 | length 1547.8
  Top Layer w10: IC5.14@-975,-293.7 -973.39,-292.09 -973.39,-212.6 -878.9,-118.11 -374.02,-118.11 ; -314.96,-118.11 241.14,-118.11 275.59,-152.56 275.59,-201.77 302.89,-229.07 354.07,-229.07 400,-275 IC6.9@400,-293.7
SPI2_MOSI3: IC1.14 IC5.9 | length 841.1
  Top Layer w10: -1167.01,-266.6 -1167.01,-241.81 -800,125.2 IC1.14@-800,293.7 ; -800,-353.7 -735.61,-353.7 -725,-343.09 IC5.9@-725,-293.7
SPI2_MOSI4: IC1.9 IC3.14 | length 1850
  Top Layer w10: v1@-1050,43.7 IC1.9@-1050,293.7 ; v1@300,43.7 IC3.14@300,293.7
  Bottom Layer w10: v1(-1050,44.29) v1@300,44.29
  other v1: 300,34.45
SPI2_MOSI5: IC2.14 IC3.9 | length 677.3
  Top Layer w10: IC2.14@-250,293.7 -250.79,292.91 -250.79,234.21 -275,210 -275,138.7 -240,103.7 20,103.7 50,133.7 IC3.9@50,293.7
SPI2_MOSI6: IC2.9 IC4.14 | length 1925.7
  Top Layer w10: v1@-500,13.7 v1(-500,14.76) IC2.9@-500,293.7 ; v1(850,14.76) IC4.14@850,293.7
  Bottom Layer w10: v1@-500,13.7 -489.09,24.61 265.75,24.61 285.43,4.92 314.96,4.92 324.8,14.76 v1(850,14.76)
SPI2_MOSI7: IC4.9 P2.6 | length 2079.5
  Top Layer w10: IC4.9@600,293.7 600,25 688.98,-63.98 1318.7,-63.98 1942.91,560.24 P2.6@2115.35,560.24
SPI2_MOSI8: P2.5 P3.5
SPI2_NSS: IC1.12 IC2.12 IC3.12 IC4.12 IC5.12 IC6.12 P2.3 U4.33 | length 5891.6
  Top Layer w10: v1@-900,103.7 IC1.12@-900,293.7 ; IC5.12@-875,-293.7 -873.39,-292.09 -873.39,-252.66 -763.05,-142.32 -350,-142.32 ; IC2.12@-350,293.7 v1(-350,93.5) -350,-142.32 ; v1@200,103.35 IC3.12@200,293.7 ; IC6.12@250,-293.7 251.65,-292.05 251.65,-167.99 227.72,-144.06 -21.53,-144.06 -23.26,-142.32 -350,-142.32 ; IC4.12@750,293.7 756.65,287.05 v1(756.65,93.5) 756.65,43.35 824.61,-24.61 1307.51,-24.61 2042.35,710.24 2165.35,710.24 P2.3@2215.35,660.24
  Bottom Layer w10: v1@-900,103.35 746.81,103.35 v1(756.65,93.5)
  other v1: -900,93.5 200,93.5
SPI2_SCK: IC1.11 IC2.11 IC3.11 IC4.11 IC5.11 IC6.11 P2.4 U4.34 | length 6959.7
  Top Layer w10: v1@-950,73.7 v1(-950,73.82) IC1.11@-950,293.7 ; IC5.11@-825,-293.7 -826.65,-295.35 -826.65,-433.57 -826.79,-433.7 ; IC2.11@-400,293.7 v1(-400,73.82) -400,35.47 -465,-29.53 -840.87,-29.53 -1050.32,-238.97 -1050.32,-367.15 -1051.65,-368.49 -1051.65,-390.57 -1050.32,-391.91 -1050.32,-403.7 -1020.32,-433.7 -826.79,-433.7 ; v1(150,73.82) IC3.11@150,293.7 ; IC6.11@300,-293.7 299.79,-293.91 299.79,-353.91 299.59,-354.11 299.59,-394.11 260,-433.7 -826.79,-433.7 ; IC4.11@700,293.7 693.35,287.05 v1(693.35,73.82) 693.35,-26.12 711.52,-44.29 1313.1,-44.29 2017.63,660.24 P2.4@2115.35,660.24
  Bottom Layer w10: v1(-950,73.82) -940.16,63.98 -889.05,63.98 -879.21,73.82 v1(-400,73.82) -370.79,73.82 -360.95,63.98 -339.05,63.98 -329.21,73.82 v1(150,73.82) 179.21,73.82 189.05,63.98 210.95,63.98 220.79,73.82 v1(693.35,73.82)
SWCLK: P3.3@840,-131.79 U4.49
SWDIO: P3.2@740,-131.79 U4.46 | length 427.3
  Bottom Layer w10: U4.46@413.39,-106.3 413.39,-54.13 433.07,-34.45 642.66,-34.45 P3.2@740,-131.79
SWITCH: JP1.2 U4.53 | length 1303.9
  Bottom Layer w10: U4.53@523.62,-255.91 1034.21,-255.91 1120.35,-169.76 1310.35,-169.76 1606.1,125.98 JP1.2@1669.29,125.98
USART3_RX: U3.1 U4.30 | length 2613.4
  Bottom Layer w10: -1948.82,738.19 -1824.24,738.19 -1786.42,700.36 -1786.42,388.78 -1653.54,255.91 -1483.28,255.91 -1010.84,-216.54 U4.30@86.61,-216.54
USART3_TX: U3.4 U4.29 | length 2756.1
  Bottom Layer w10: -2091.54,718.5 -1832.4,718.5 -1806.1,692.21 -1806.1,380.63 -1661.7,236.22 -1491.43,236.22 -1018.99,-236.22 U4.29@86.61,-236.22
pads on no net: J16.1 P3.1@2087.4,-200 P3.2@1987.4,-200 P3.3@2087.4,-100 P3.4@1987.4,-100 P3.6 U4.2 U4.3 U4.4
copper on no net: | length 359.3
  Bottom Layer w10: 393.7,-543.31 393.7,-595.47 413.39,-615.16 482.28,-615.16 531.5,-565.94 ; 413.39,-543.31 413.39,-585.63 423.23,-595.47 462.6,-595.47 494.59,-563.48

## Polygon pours and split planes (outlines as drawn)
-ISO on Bottom Layer "bottomLayer-GND" (solid, remove dead copper, pour order 43): -1555.12,1338.58 -1555.12,531.5 2015.35,531.5 2015.35,710.24 2263.78,710.24 2263.78,1338.58
GND on Bottom Layer "bottomLayer-GND" (solid, remove dead copper, shelved, pour order 44): -1618.79,964.57 -1618.79,427.21 2071.21,427.21 2071.21,957.21 2263.78,957.21 2263.78,-1338.58 -1555.12,-1338.58 -1555.12,-39.37 -2263.78,-39.37 -2263.78,1338.58 -1653.54,1338.58 -1653.54,964.57
+ISO on Top Layer "bottomLayer-GND" (solid, remove dead copper, pour order 45): -1555.12,1338.58 -1555.12,831.69 2071.85,831.69 2071.85,728.35 2263.78,728.35 2263.78,1338.58
GND on Top Layer "bottomLayer-GND" (solid, remove dead copper, shelved, pour order 42): -1555.12,-1338.58 -1555.12,-39.37 -2263.78,-39.37 -2263.78,1338.58 -1653.54,1338.58 -1653.54,964.57 -1555.12,964.57 -1555.12,1338.58 2263.78,1338.58 2263.78,-1338.58

## Keep-outs
Keep-Out Layer:
  the board outline again, w7.87

## Other copper
Bottom Layer:
  region net IO16: -1492.5,1071.59
  region net IO16: -1492.5,1033.19
  region net IO16: -1492.5,1033.19

## Silkscreen, mask and mechanical layers (free items; w line width, h text height)
Top Overlay:
  drawing of 170 lines, arcs and shapes, not listed

## Text inside footprints (layer, text, board x,y; h text height)
j17: Bottom Overlay "1" at 2056.22,-866.38 h31.5 r270; Bottom Overlay "2" at 2068.03,-941.18 h31.5 r270
j18: Bottom Overlay "1" at 1606.22,-866.38 h31.5 r270; Bottom Overlay "2" at 1618.03,-941.18 h31.5 r270
j19: Bottom Overlay "1" at 1156.22,-866.38 h31.5 r270; Bottom Overlay "2" at 1168.03,-941.18 h31.5 r270
j20: Bottom Overlay "1" at 706.22,-866.38 h31.5 r270; Bottom Overlay "2" at 718.03,-941.18 h31.5 r270
j21: Bottom Overlay "1" at 256.22,-866.38 h31.5 r270; Bottom Overlay "2" at 268.03,-941.18 h31.5 r270
j22: Bottom Overlay "1" at -193.78,-866.38 h31.5 r270; Bottom Overlay "2" at -181.97,-941.18 h31.5 r270
j23: Bottom Overlay "1" at -643.78,-866.38 h31.5 r270; Bottom Overlay "2" at -631.97,-941.18 h31.5 r270
j24: Bottom Overlay "1" at -1093.78,-866.38 h31.5 r270; Bottom Overlay "2" at -1081.97,-941.18 h31.5 r270